# Altium PCB PIXHACK_V3X2.PcbDoc (part 1 of 3) (continued)
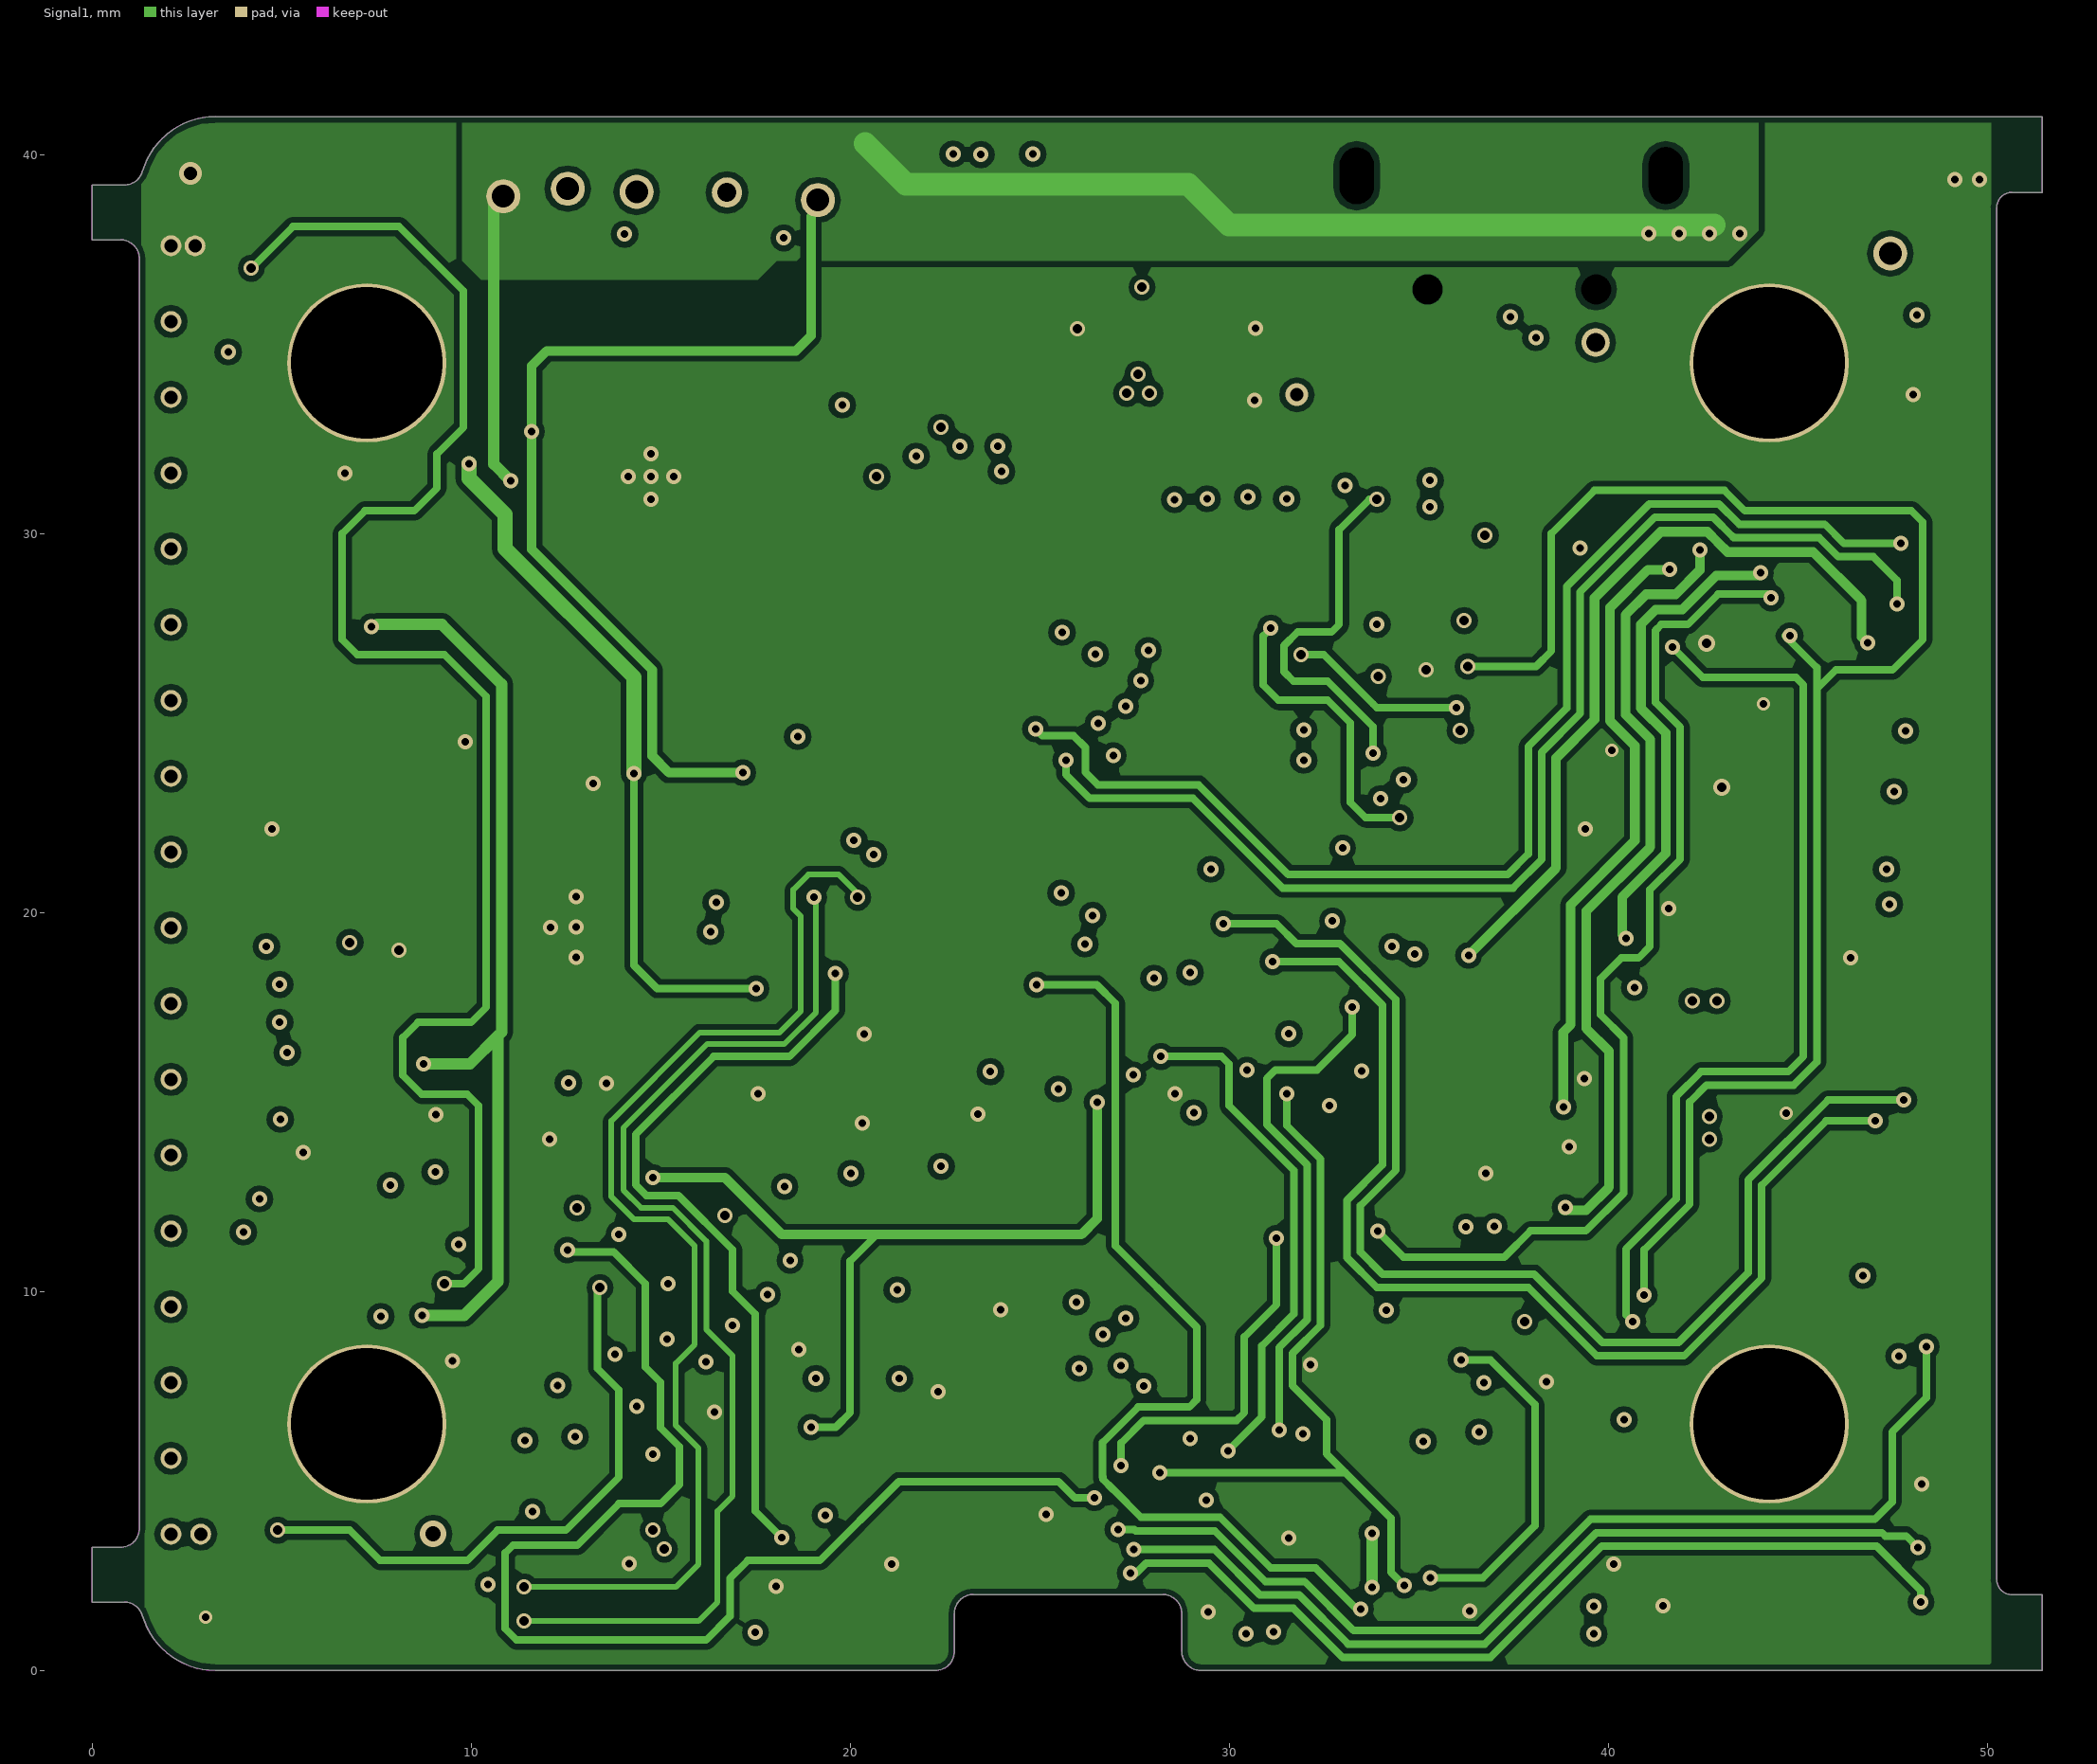
[diagram p4: Signal1]
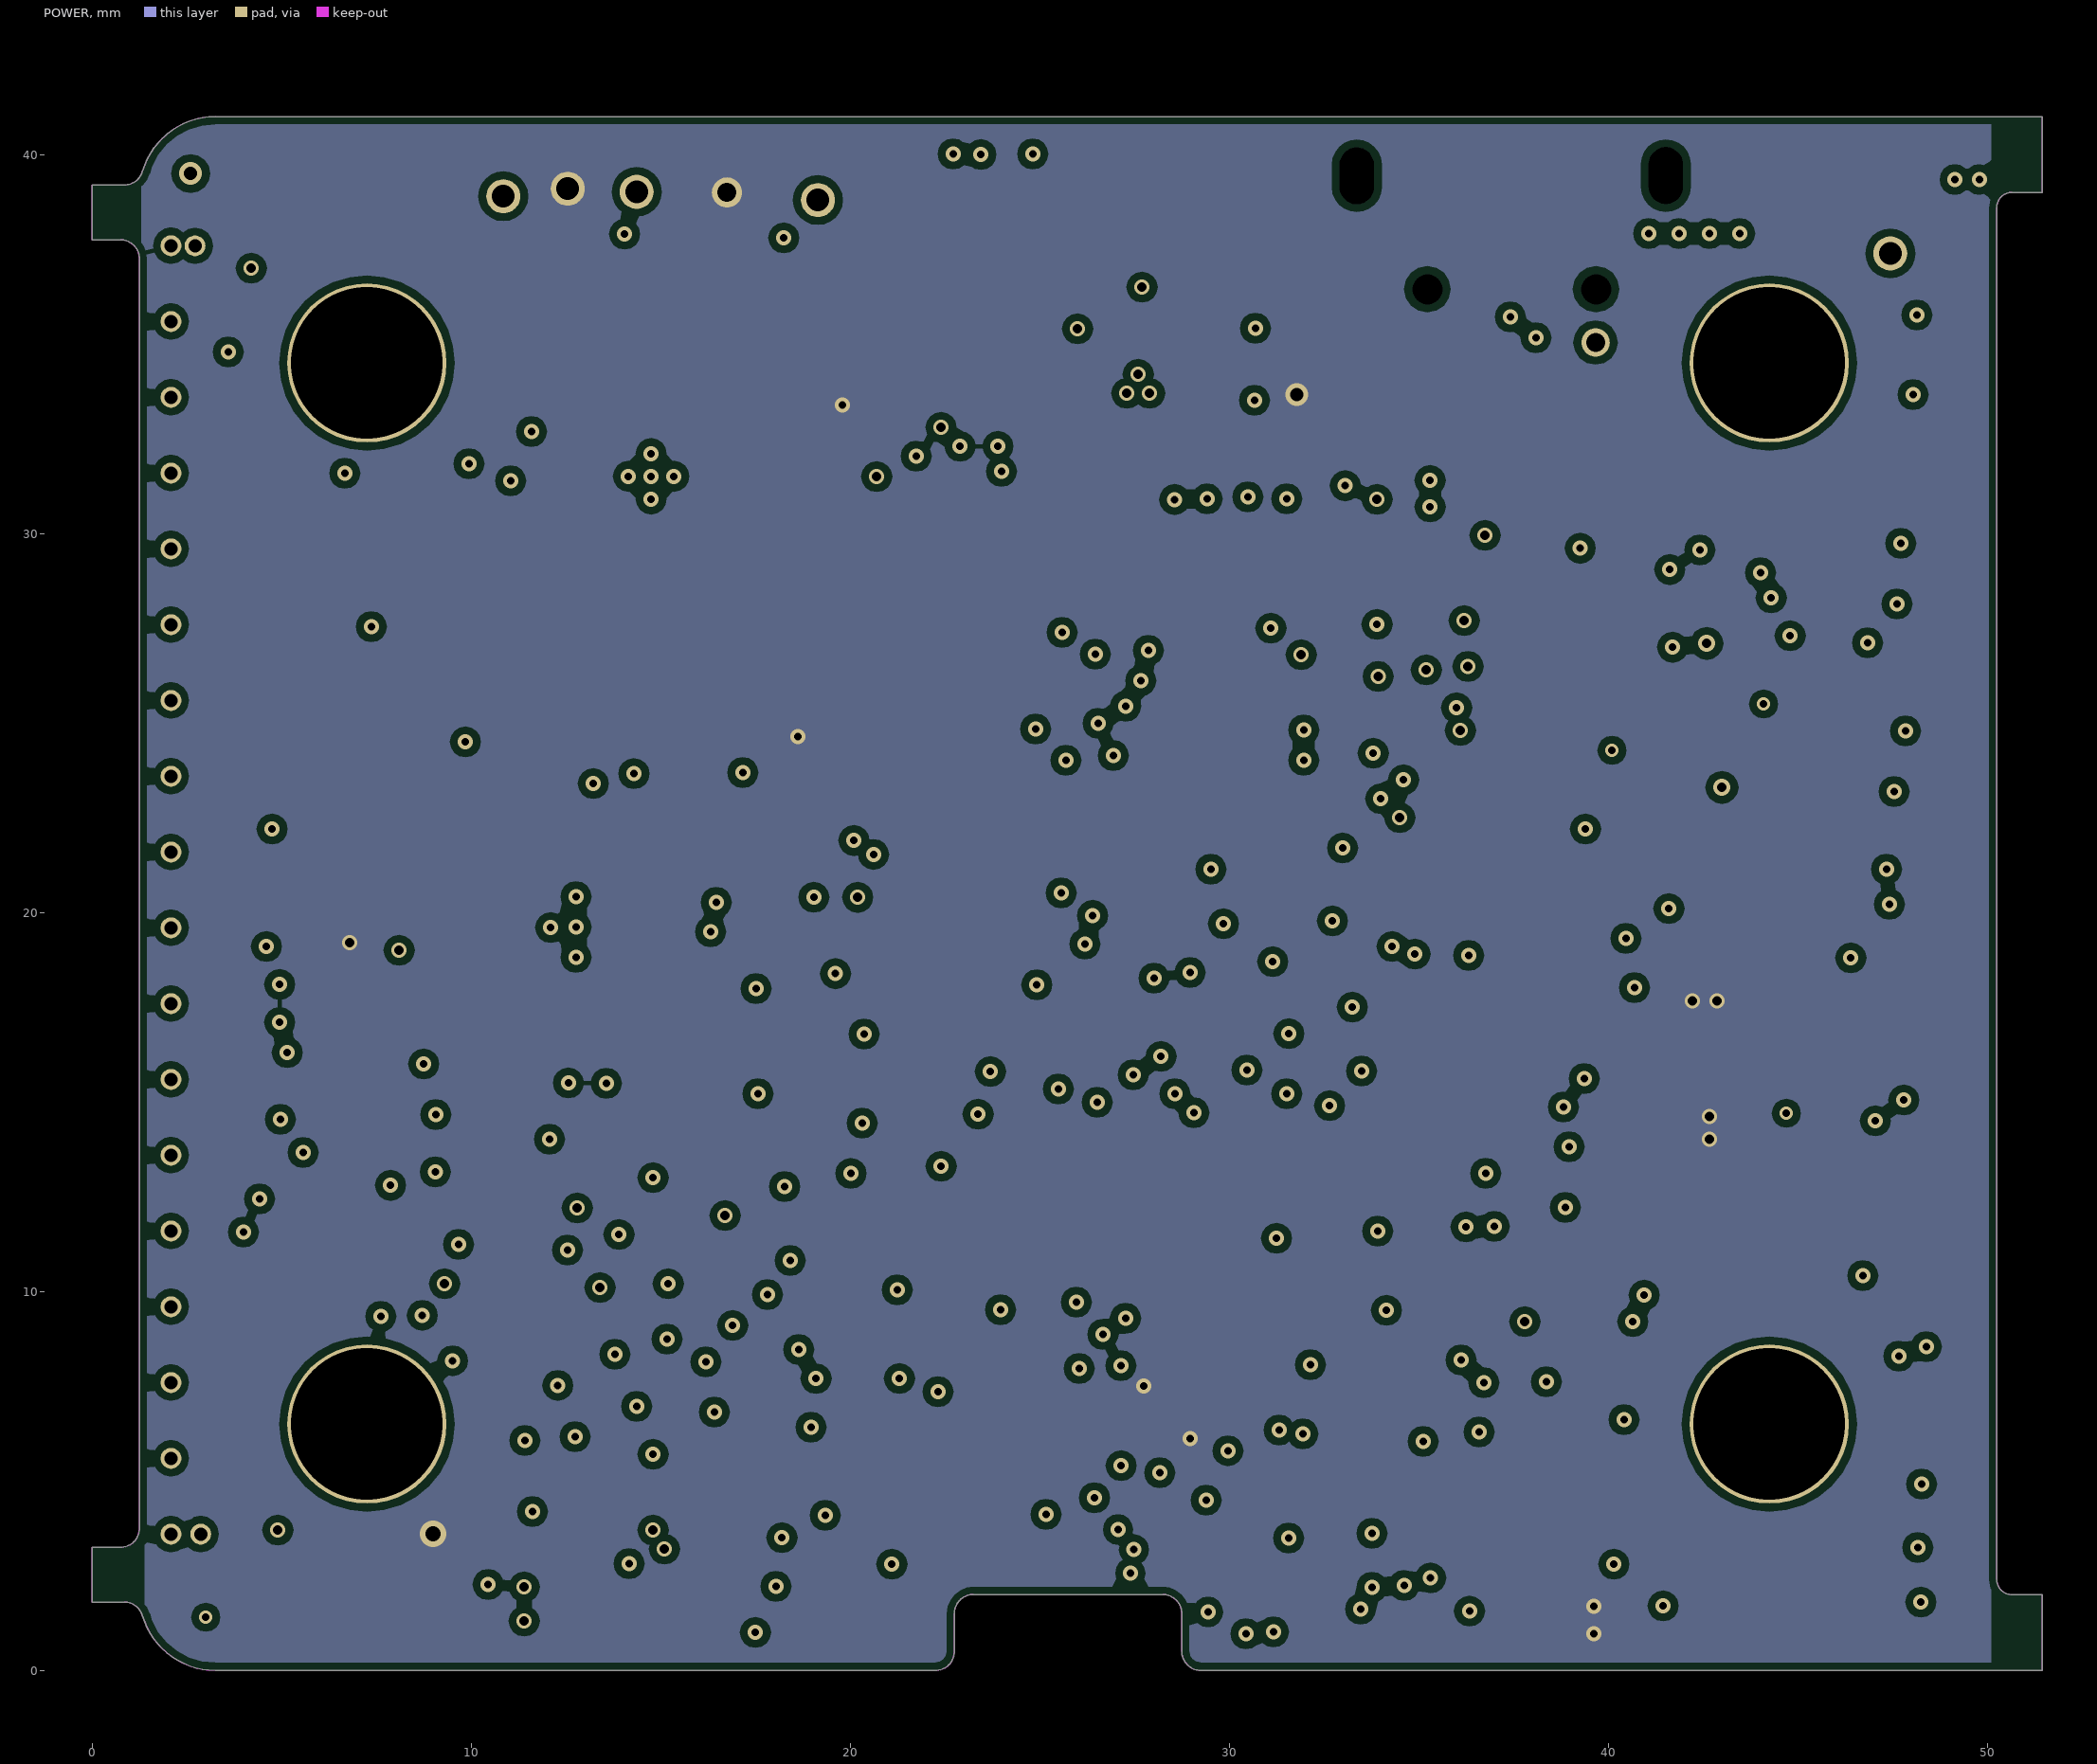
[diagram p5: POWER]
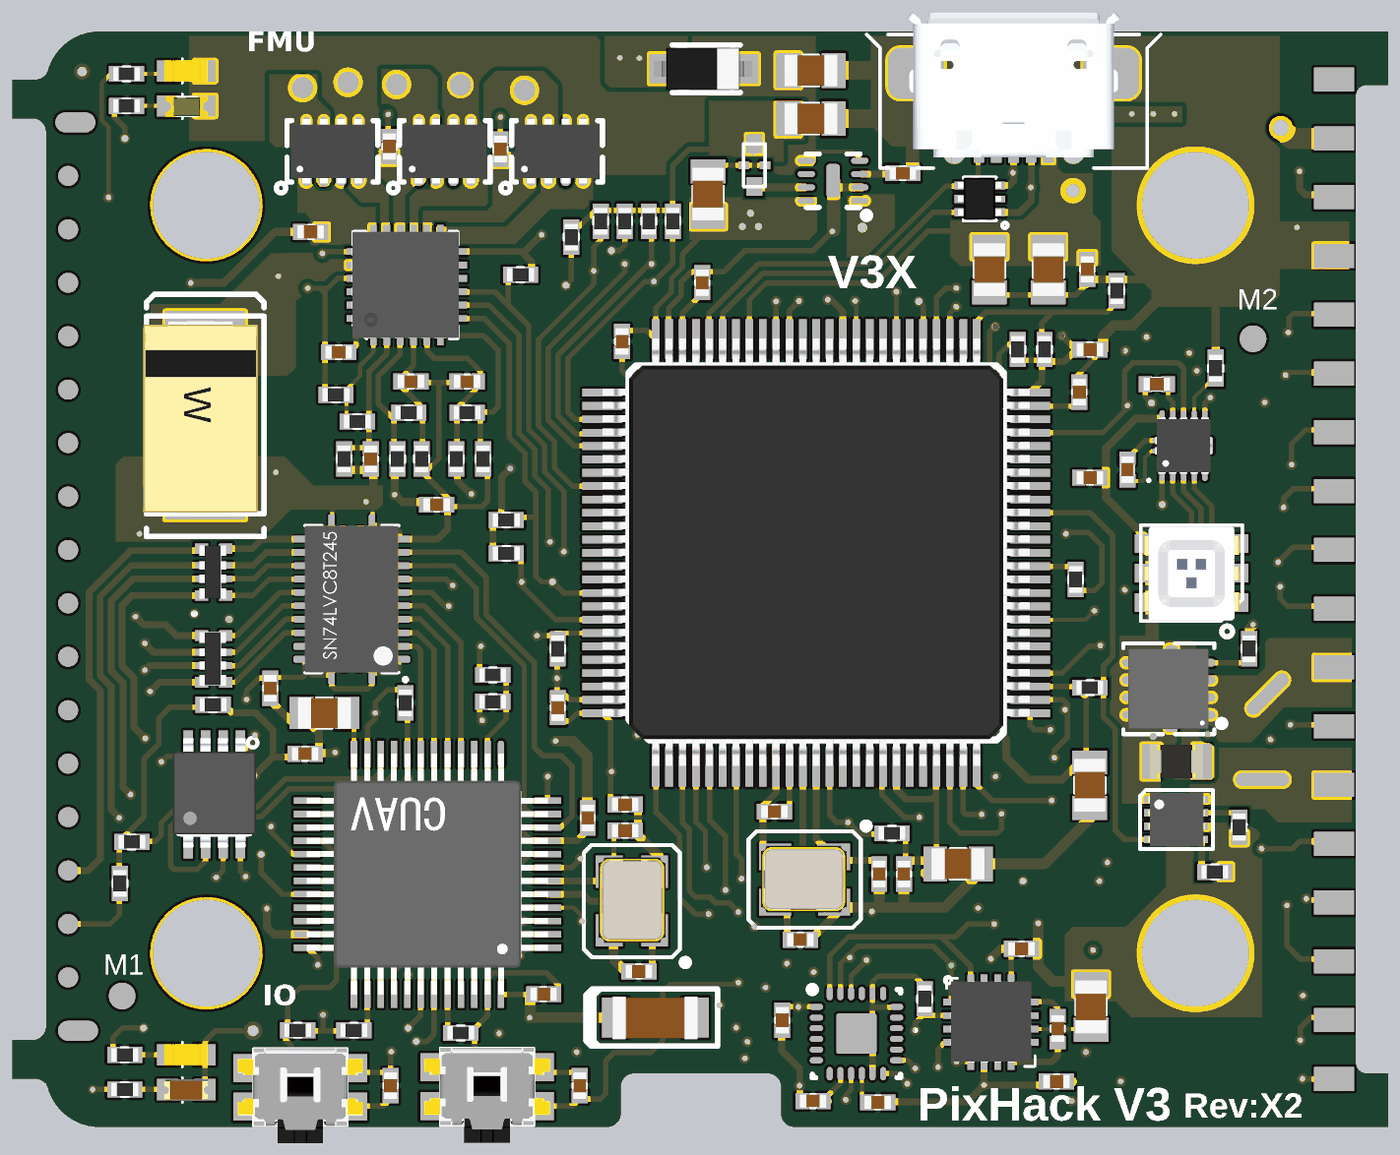
[diagram p8: 3D render of the assembled board from above, using the file's embedded part models]
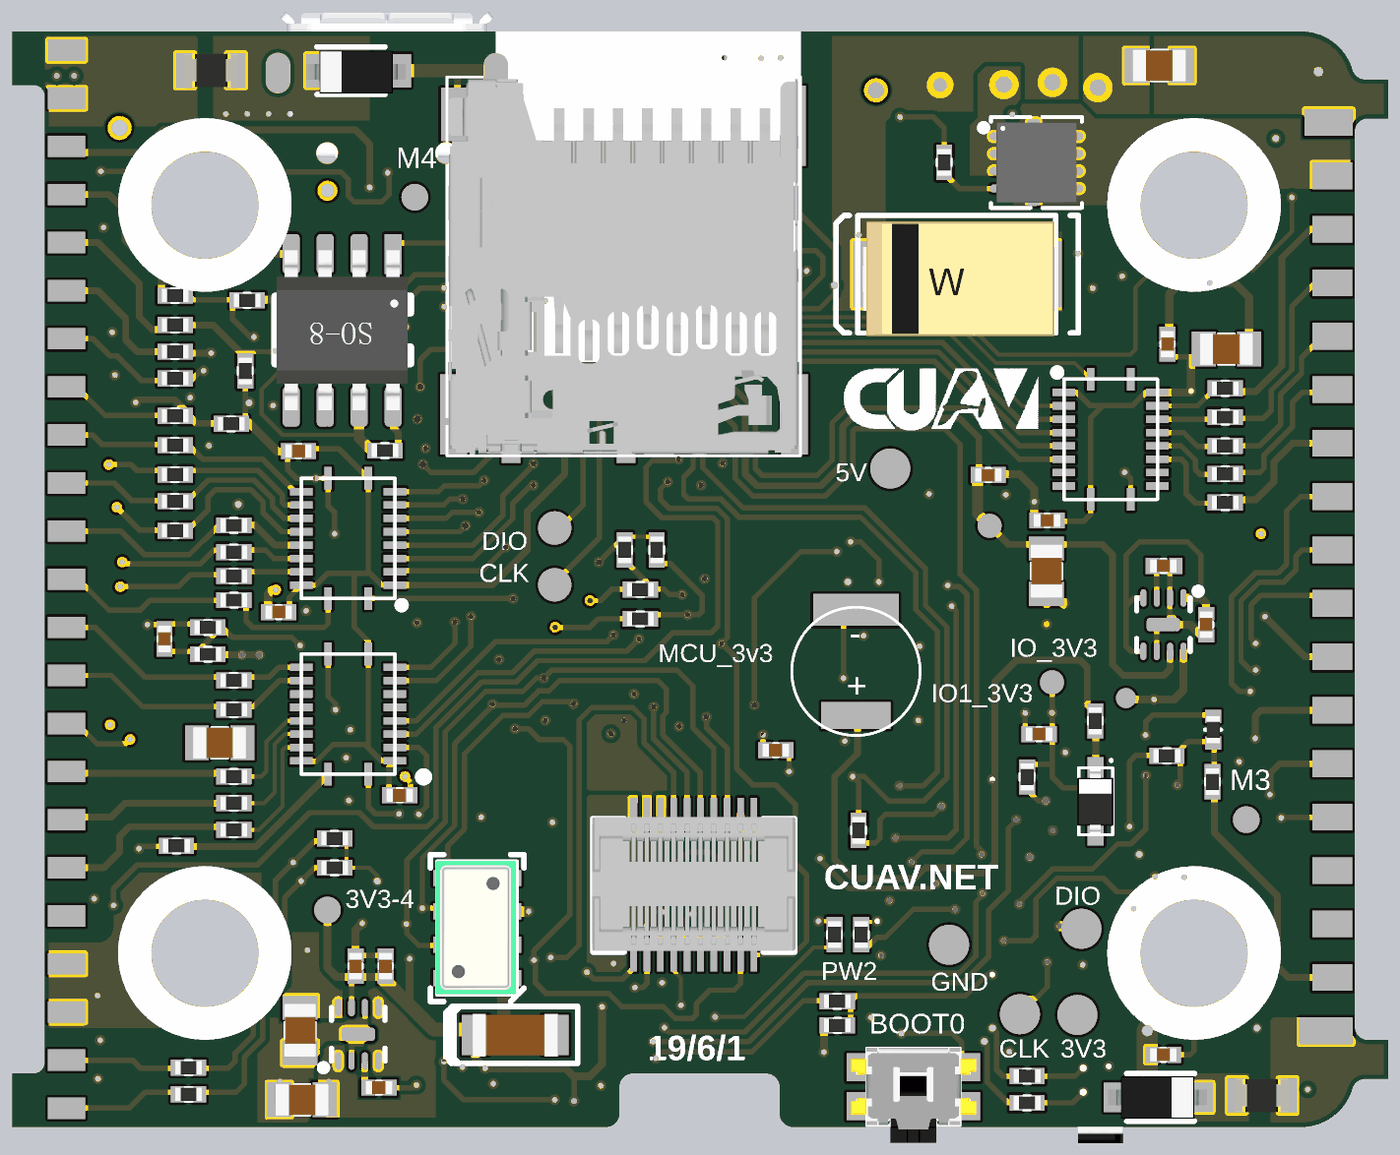
[diagram p9: 3D render of the assembled board from below, using the file's embedded part models]

## Layer stack, top to bottom
Top Solder: solder mask 0.0102, Solder Resist, Dk 3.5
Top Layer: signal copper 0.0356
Dielectric1: core 0.32, FR-4, Dk 4.8
GND: signal copper 0.0356
Dielectric 4: prepreg 0.127, Dk 4.2
POWER1: signal copper 0.036
Dielectric 5: core 0.254, Dk 4.2
Signal1: signal copper 0.0356
Dielectric3: core 0.254, FR-4, Dk 4.2
POWER: signal copper 0.036
Dielectric2: prepreg 0.127, FR-4, Dk 4.2
Bottom Layer: signal copper 0.0356
Bottom Solder: solder mask 0.0102, Solder Resist, Dk 3.5

## Board outline
3.25,0 22.25,0 ccw(c22.25,0.5) 22.75,0.5 22.75,1.5 cw(c23.25,1.5) 23.25,2 28.25,2 cw(c28.25,1.5) 28.75,1.5 28.75,0.5 ccw(c29.25,0.5) 29.25,0 51.446,0 51.446,2 50.646,2 cw(c50.646,2.4) 50.246,2.4 50.246,38.6 cw(c50.646,38.6) 50.646,39 51.446,39 51.446,41 50.246,41 50.25,41 3.25,41 ccw(c3.25,39) 1.33,39.56 cw(c0.85,39.7) 0.85,39.2 0,39.2 0,37.75 0.75,37.75 cw(c0.75,37.25) 1.25,37.25 1.25,3.75 cw(c0.75,3.75) 0.75,3.25 0,3.25 0,1.8 0.85,1.8 cw(c0.85,1.3) 1.33,1.44 ccw(c3.25,2)

## Design rules (kind name [scope] priority, off if disabled: settings)
Clearance Clearance_1 [OnLayer('power')] p1: gap=0.2
Clearance Clearance_3 [OnLayer('POWER1') vs InNetClass('All Nets')] p2: gap=0.2
Clearance Clearance_2 [OnLayer('GND')] p3: gap=0.2
Clearance [All] p4: gap=0.154
PlaneConnect PlaneConnect_2 [OnLayer('Multi-Layer')] p1: planeconnectstyle=Direct reliefexpansion=0.508 reliefentries=4 reliefconductorwidth=0.254 reliefairgap=0.254
PlaneConnect [All] p2: planeconnectstyle=Relief reliefexpansion=0.508 reliefentries=4 reliefconductorwidth=0.254 reliefairgap=0.254
PolygonConnect PolygonConnect_1 [OnLayer('Multi-Layer') + InNet('VDD_SERVO')    +InNet('VDD_5V_IN')+InNet('VCC_OUT1')+InNet('VCC_OUT2')    +InNet('VDD_5V_BRICK')+InNet('VDD_5V_BRICK_IN')+InNet('TF_VCC')+InNet('GND')          +InNet('VDD_RC') +InNet('VBUS')+InNet('MCU_3V3')+InNet('VDD_VS')+InNet('VDD_G')+InNet('SERVO_G')+InNet('SERVO_VS')+InNet('VBUS_G')+InNet('VBUS_VS')+InNet('IO-3V3') +InNet('VDD_SERVO_IN')     +InNet('IO1_3V3')  +InNet('FMUIO_3V3')] p1: connectstyle=Direct reliefconductorwidth=0.254 reliefentries=4 polygonreliefangle="90 Angle" airgapwidth=0.254
PolygonConnect [All] p2: connectstyle=Relief reliefconductorwidth=0.254 reliefentries=4 polygonreliefangle="90 Angle" airgapwidth=0.254
RoomDefinition 04_PX4_IOv2 [InComponentClass('04_PX4_IOv2')] p1: confinementstyle=ConfineIn formatcopy=TRUE lockcomponents=FALSE outline -93.334,-105.383 -42.534,-105.383 -42.534,-79.983 -93.334,-79.983
RoomDefinition 12_IMU_CON [InComponentClass('12_IMU_CON')] p2: confinementstyle=ConfineIn formatcopy=TRUE lockcomponents=FALSE outline -93.334,-105.383 -42.534,-105.383 -42.534,-79.983 -93.334,-79.983
RoomDefinition 11_ADC_SENS [InComponentClass('11_ADC_SENS')] p3: confinementstyle=ConfineIn formatcopy=TRUE lockcomponents=FALSE outline -93.334,-105.383 -42.534,-105.383 -42.534,-79.983 -93.334,-79.983
RoomDefinition 10_Power_out [InComponentClass('10_Power_out')] p4: confinementstyle=ConfineIn formatcopy=TRUE lockcomponents=FALSE outline -93.334,-105.383 -42.534,-105.383 -42.534,-79.983 -93.334,-79.983
RoomDefinition 08_EEPROM+TF_CARD [InComponentClass('08_EEPROM+TF_CARD')] p5: confinementstyle=ConfineIn formatcopy=TRUE lockcomponents=FALSE outline -93.334,-105.383 -42.534,-105.383 -42.534,-79.983 -93.334,-79.983
RoomDefinition 07_ONB_IMU [InComponentClass('07_ONB_IMU')] p6: confinementstyle=ConfineIn formatcopy=TRUE lockcomponents=FALSE outline -93.334,-105.383 -42.534,-105.383 -42.534,-79.983 -93.334,-79.983
RoomDefinition 06_Status_LED [InComponentClass('06_Status_LED')] p7: confinementstyle=ConfineIn formatcopy=TRUE lockcomponents=FALSE outline -93.334,-105.383 -42.534,-105.383 -42.534,-79.983 -93.334,-79.983
RoomDefinition 05_DATA_IO [InComponentClass('05_DATA_IO')] p8: confinementstyle=ConfineIn formatcopy=TRUE lockcomponents=FALSE outline -93.334,-105.383 -42.534,-105.383 -42.534,-79.983 -93.334,-79.983
RoomDefinition 03_FMU [InComponentClass('03_FMU')] p9: confinementstyle=ConfineIn formatcopy=TRUE lockcomponents=FALSE outline -93.334,-105.383 -42.534,-105.383 -42.534,-79.983 -93.334,-79.983
RoomDefinition 02_POWER_LDO [InComponentClass('02_POWER_LDO')] p10: confinementstyle=ConfineIn formatcopy=TRUE lockcomponents=FALSE outline -93.334,-105.383 -42.534,-105.383 -42.534,-79.983 -93.334,-79.983
RoomDefinition 01_POWER_Switch [InComponentClass('01_POWER_Switch')] p11: confinementstyle=ConfineIn formatcopy=TRUE lockcomponents=FALSE outline -93.334,-105.383 -42.534,-105.383 -42.534,-79.983 -93.334,-79.983
RoomDefinition 09_RC_PWM_IO [InComponentClass('09_RC_PWM_IO')] p12: confinementstyle=ConfineIn formatcopy=TRUE lockcomponents=FALSE outline -93.334,-105.383 -42.534,-105.383 -42.534,-79.983 -93.334,-79.983
RoutingVias [All] p1: holewidth=0.35 width=0.6 viastyle="Through Hole" minholewidth=0.3 minwidth=0.6 maxholewidth=0.5 maxwidth=1
SilkToSolderMaskClearance SilkscreenOverComponentPads [IsPad] p1: minsilkscreentomaskgap=0.254 clearancetoexposedcopper=TRUE
SolderMaskExpansion [All] p1: expansion=0.102
Width [All] p1: maxlimit=2 minlimit=0.15 preferedwidth=0.254 toplayer_maxwidth=1 midlayer3_maxwidth=1 midlayer4_minwidth=0.2 midlayer4_maxwidth=1 bottomlayer_maxwidth=1 minimp=50.000000 maximp=50.000000 favimp=50.000000
28 further rules are at their usual default settings.

## Classes and differential pairs
component class 01_POWER_Switch: *1 *15 *19 *20 C1 C2 C3 C5 C11 C12 C13 C18 C19 C21 C22 C29 C32 C33 C34 C48 D2 D3 D7 F2 F4/DNP R1 R2 R3 R4 R5 R6 R8 R18 R19 R38 R39 R40 R80 R81 u8 U11 U12 U13 U31
component class 02_POWER_LDO: C6 C9 C10 C14 C15 C17 C30 C31 C39 C40 C41 C42 C44 C45 C49 C55 C56 C57 C63 C68 C69 D6 F3 LDO1 LDO2 U10
component class 03_FMU: BOOT0 C23 C25 C26 C27 C28 C36 C37 C38 d5 KEY2 M1 M2 M3 M4 R20 R33 R34 R45 R88 R89 U1 U16 Y2
component class 04_PX4_IOv2: C4 C8 C24 C58 KEY1 R7 R12 R37 R42 R46 R82 R83 R84 R85 R86 R87 U2 Y1
component class 05_DATA_IO: C64 C65 C66 C67 IO2 R9 R10 R26 R29 R31 R32 R62 R63 R64 R65 R66 R67 R68 R69 R70 R71 R72 R73 R74 R75 R76 R77 R78 U6 U7
component class 06_Status_LED: C70 C71 D4 D8 D9 D10 D11 R25 R30 R41 R47 R48 R90 R91 U21
component class 07_ONB_IMU: C7 C35 C43 C46 C47 C50 C51 C52 C53 R61 U9 U17 U18
component class 08_EEPROM+TF_CARD: C16 C20 R13 R14 R49 R92 R93 R94 TF1 U5
component class 09_RC_PWM_IO: C54 C60 C61 C62 ESD2 IO1 R11 R50 R51 R52 R53 R54 R55 R56 R57 R58 R59 R60 U3 U4 U20
component class 10_Power_out: D1 L1 R15 R16 R17 R79 U19
component class 11_ADC_SENS: C59 R21 R22 R23 R24 R27 R28 R35 R36 R43 R44 U14 USB
component class 12_IMU_CON: CON3

## Components (designator, comment, footprint, x,y, rotation, side; value= is the part's Value field where it differs from the comment)
BOOT0 "EVQ-P7J01P" EVQ-P7J01P#1 17.75,1.464 r180 bottom
C1 "22NF" 0402CAP#1 13.4,25 r270 top
C2 "47nf" 0402CAP#1 14.9,27.9 r0 top
C3 "100nf" 0402CAP#1 11.15,33.5 r180 top
C4 "8PF" 0402CAP#1 23.427,5.821 r180 top
C5 "10nf" 0402CAP#1 40.3,24.3 r0 top
C6 "100nf" 0402CAP#1 33.341,9.467 r90 top
C7 "100NF" 0402CAP#1 37.741,6.667 r0 top
C8 "8PF" 0402CAP#1 22.916,11.092 r180 top
C9 "100nf" 0402CAP#1 22.8,29.4 r90 top
C10 "100nf" 0402CAP#1 13.05,14.7 r180 bottom
C11 "22UF/16V" 0805CAP#1 8.55,39.7 r0 bottom
C12 "47UF 16V" 7343CAP#1 16.5,32 r180 bottom
C13 "47UF 16V" 7343CAP#2 7.291,27.017 r270 top
C14 "22UF" 0805CAP#1 40.266,12.792 r90 top
C15 "22UF" 0805CAP#1 26.041,34.917 r270 top
C16 "22uf" 0805CAP#1 29.866,37.717 r180 top
C17 "22UF" 0805CAP#1 43.7,14.4 r180 bottom
C18 "100nf" 0402CAP#1 12.2,29 r180 top
C19 "100nf" 0402CAP#1 39.05,1.7 r0 top
C20 "100NF" 0402CAP#1 22.9,14.1 r180 bottom
C21 "100nf" 0402CAP#1 15.866,23.292 r180 top
C22 "100nf" 0402CAP#1 40.2,32.1 r90 top
C23 "8PF" 0402CAP#1 32.416,9.467 r270 top
C24 "100nf" 0402CAP#1 14.141,1.542 r270 top
C25 "2.2uf" 0402CAP#1 39.9,27.5 r270 top
C26 "2.2uf" 0402CAP#1 25.8,31.6 r270 top
C27 "8PF" 0402CAP#1 29.467,7.008 r180 top
C28 "100nf" 0402CAP#1 21.216,1.542 r270 top
C29 "100nf" 0402CAP#1 8.4,2.7 r0 bottom
C30 "22UF" 0805CAP#1 36.516,32.092 r90 top
C31 "22UF" 0805CAP#1 38.716,32.092 r90 top
C32 "100nf" 0402CAP#1 14.1,36.7 r90 top
C33 "22NF" 0402CAP#1 17,27.9 r180 top
C34 "100nf" 0402CAP#1 18.25,36.6 r90 top
C35 "2.2uf" 0402CAP#1 32.366,0.917 r180 top
C36 "100nf" 0402CAP#1 20.391,15.692 r270 top
C37 "100nf" 0402CAP#1 22.916,12.067 r180 top
C38 "100nf" 0402CAP#1 28.5,11.8 r0 top
C39 "100nf" 0402CAP#1 19.866,4.967 r180 top
C40 "22UF" 0805CAP#1 29.866,39.517 r180 top
C41 "22UF" 0805CAP#1 40.716,3.617 r90 bottom
C42 "2.2uf" 0402CAP#1 40.3,29.1 r180 top
C43 "100NF" 0402CAP#1 28.791,3.992 r270 top
C44 "100NF" 0402CAP#1 37.741,1.467 r180 bottom
C45 "100NF" 0402CAP#1 33.3,35.7 r0 top
C46 "100NF" 0402CAP#1 29.941,0.967 r180 top
C47 "100NF" 0402CAP#1 37.491,6.017 r90 bottom
C48 "22uf" 0805CAP#2 11.666,15.517 r0 top
C49 "22uf" 0805CAP#1 35.366,9.817 r180 top
C50 "47UF/16V" c1206a 34.141,3.442 r180 bottom
C51 "220nf" 0402CAP#2 39.091,3.68 r270 top
C52 "4.7uf" 0805CAP#1 40.316,4.492 r90 top
C53 "10NF" 0402CAP#1 38.616,6.017 r90 bottom
C54 "2.2UF/16V" 0402CAP#1 8.25,29.3 r270 bottom
C55 "22uf" c1206a 22.541,4.092 r0 top
C56 "100nf" 0402CAP#1 6.8,18.8 r90 bottom
C57 "22UF" 0805CAP#1 40.616,1.042 r180 bottom
C58 "100nf" 0402CAP#1 21.516,11.567 r270 top
C59 "100nf" 0402CAP#1 45.766,18.267 r270 bottom
C60 "100nf" 0402CAP#1 9.641,16.417 r90 top
C61 "100NF" 0402CAP#1 10.941,13.967 r180 top
C62 "100nf" 0402CAP#1 12.75,22.7 r180 bottom
C63 "100NF" 0402CAP#3 8.4,21 r180 bottom
C64 "100nf" 0402CAP#1 36.966,12.417 r0 bottom
C65 "100nf" 0402CAP#1 14.95,24.4 r0 bottom
C66 "100nf" 0402CAP#1 41.491,19.267 r180 bottom
C67 "100nf" 0402CAP#1 40.75,25.3 r180 bottom
C68 "22UF" 0805CAP#1 6.041,29.092 r0 bottom
C69 "22UF" 0805CAP#1 12.8,20.8 r90 bottom
C70 "220NF" 0402C 41.7,24.6 r90 top
C71 "1UF" 0402C 42.8,27.8 r0 top
CON3 "0547220204" 0547220204 26.166,9.217 r180 bottom
D1 "D240L" SOD-123#1 8.7,1 r180 bottom
D2 "D240L" SOD-123#2 38.516,39.642 r0 bottom
D3 "SI7615ADN" DFN3x3_8L 13.05,36.1 r180 bottom
D4 "LRTB" LRTB 44.1,20.637 r90 top
d5 "4148" SOD323 11.15,12.2 r0 bottom
D6 "D240L" SOD-123#1 25.75,39.5 r0 top
D7 "SI7615ADN" DFN3x3_8L 43.15,16.4 r180 top
D8 "0603_LED_RED" 0603-LED-RED 6.5,1.4 r180 top
D9 "0603-LED-GREEN" 0603-LED-Green 6.5,38.217 r180 top
D10 "0603-LED-Yellow" 0603-LED-Yellow 6.5,39.517 r180 top
D11 "0603-LED-Yellow" 0603-LED-Yellow 6.5,2.7 r180 top
ESD2 "DNP" ESD0402 6.566,14.917 r90 bottom
F2 "0R" 0805L 44.041,39.517 r180 bottom
F3 "KYOCERA-KNH16-DA" KYOCERA-KNH16-DA 27.866,36.017 r270 top
F4/DNP "6V_2A" 0805L 43.55,13.7 r180 top
IO1 "pix_pwm_io" pix_pwm_out 5.726,14.831 r0 top
IO2 "INPUT_IO" PIX_OP 49.11,19.256 r0 top locked
KEY1 "EVQ-P7J01P" EVQ-P7J01P#1 10.766,1.442 r0 top
KEY2 "EVQ-P7J01P" EVQ-P7J01P#2 17.75,1.464 r0 top
L1 "500MA" 0805L 4.7,1.2 r0 bottom
LDO1 "MIC5330-SSYML" mic5530 30.691,35.417 r180 top
LDO2 "MIC5330-SSYML" MIC5530#1 38.516,3.467 r90 bottom